# EAGLE board Mk4 Final Panel 8up 2x4 (EAGLE 9.0.1), part 9 of 23 (continued)
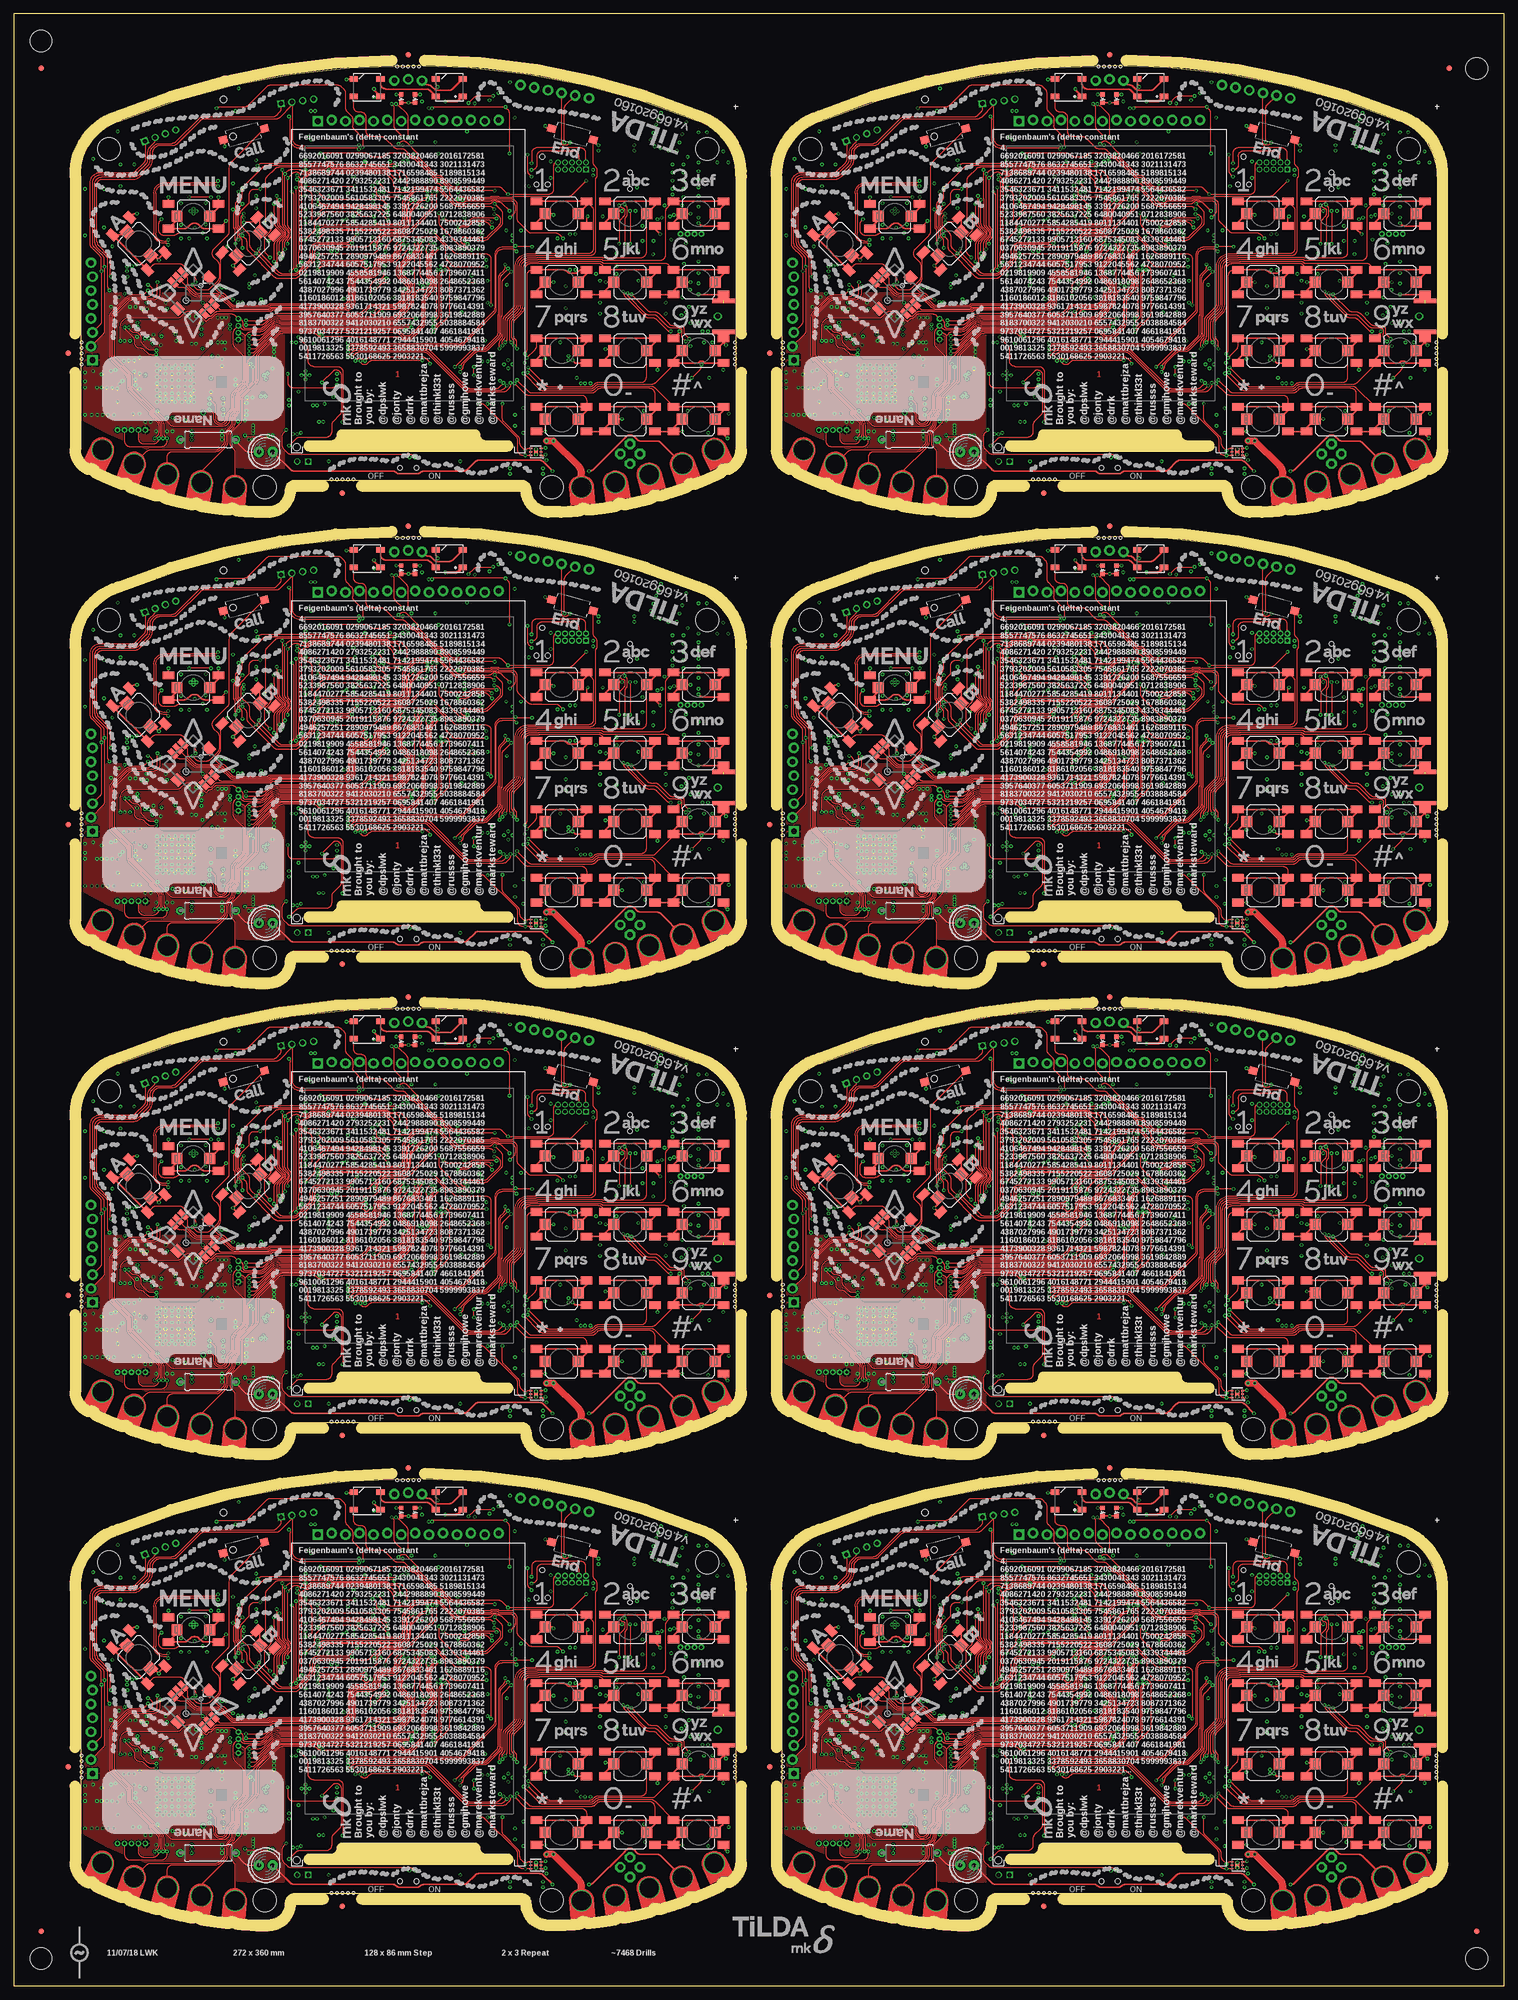
[diagram p0: board, top side]
## Tracks (layer width: path | path; a pad name or v marks a point on that pad's centre or on a via) (continued)
  Bottom 0.15: IC38.12 73.8,145.69 arc45 73.65,146.05 v73.2,146.5
  Bottom 0.2: IC47.32 24.75,124.25 24.54,124.46 arc-45 24.25,125.16 24.25,125.5 arc90 23.25,126.5 R229.1 C295.2 arc-90 19.5,127.25 v19.5,128.25
CC_!RESET3  (via drill 0.3)
  Top 0.15: v201.2,146.5 201.2,145.95 arc45 201.35,145.6 201.38,145.56 arc-45 201.53,145.21 201.53,145.09 arc-45 201.45,144.9 arc45 201.3,144.55 201.3,144.54 arc-45 201.15,144.19 198.86,141.89 arc90 198.86,140.12 200.31,138.67 arc-45 200.6,137.96 200.6,137.41 arc-45 200.45,137.05 200.25,136.85 arc45 200.1,136.49 200.1,136.22 arc-45 199.51,134.81 197.7,132.99 arc-45 196.99,132.7 176.78,132.7 arc45 174.58,131.85 173.63,130.89 arc-45 172.92,130.6 170.3,130.6 arc-90 169.8,131.1 169.8,131.51 arc90 JP34.4 168.39,132.91 arc45 167.69,133.2 165.13,133.2 arc45 164.78,133.05 164.26,132.53 arc-45 163.94,132.4 arc45 163.58,132.25 163.28,131.95 arc-90 162.93,131.95 161.56,133.31 arc45 160.86,133.6 159.81,133.6 arc45 159.11,133.31 158.49,132.69 arc-45 157.79,132.4 148.9,132.4 arc90 147.4,130.9 147.4,128.34 v147.5,128.24 v147.5,128.25
  Bottom 0.15: IC56.12 201.8,145.69 arc45 201.65,146.05 v201.2,146.5
  Bottom 0.2: IC65.32 152.75,124.25 152.54,124.46 arc-45 152.25,125.16 152.25,125.5 arc90 151.25,126.5 R307.1 C403.2 arc-90 147.5,127.25 v147.5,128.25
CC_!RESET4  (via drill 0.3)
  Top 0.15: v73.2,232.5 73.2,231.95 arc45 73.35,231.6 73.38,231.56 arc-45 73.53,231.21 73.53,231.09 arc-45 73.45,230.9 arc45 73.3,230.55 73.3,230.54 arc-45 73.15,230.19 70.86,227.89 arc90 70.86,226.12 72.31,224.67 arc-45 72.6,223.96 72.6,223.41 arc-45 72.45,223.05 72.25,222.85 arc45 72.1,222.49 72.1,222.22 arc-45 71.51,220.81 69.7,218.99 arc-45 68.99,218.7 48.78,218.7 arc45 46.58,217.85 45.63,216.89 arc-45 44.92,216.6 42.3,216.6 arc-90 41.8,217.1 41.8,217.51 arc90 JP43.4 40.39,218.91 arc45 39.69,219.2 37.13,219.2 arc45 36.78,219.05 36.26,218.53 arc-45 35.94,218.4 arc45 35.59,218.25 35.28,217.95 arc-90 34.92,217.95 33.56,219.31 arc45 32.86,219.6 31.81,219.6 arc45 31.11,219.31 30.49,218.69 arc-45 29.79,218.4 20.9,218.4 arc90 19.4,216.9 19.4,214.34 v19.5,214.24 v19.5,214.25
  Bottom 0.15: IC74.12 73.8,231.69 arc45 73.65,232.05 v73.2,232.5
  Bottom 0.2: IC83.32 24.75,210.25 24.54,210.46 arc-45 24.25,211.16 24.25,211.5 arc90 23.25,212.5 R385.1 C511.2 arc-90 19.5,213.25 v19.5,214.25
CC_!RESET5  (via drill 0.3)
  Top 0.15: v201.2,232.5 201.2,231.95 arc45 201.35,231.6 201.38,231.56 arc-45 201.53,231.21 201.53,231.09 arc-45 201.45,230.9 arc45 201.3,230.55 201.3,230.54 arc-45 201.15,230.19 198.86,227.89 arc90 198.86,226.12 200.31,224.67 arc-45 200.6,223.96 200.6,223.41 arc-45 200.45,223.05 200.25,222.85 arc45 200.1,222.49 200.1,222.22 arc-45 199.51,220.81 197.7,218.99 arc-45 196.99,218.7 176.78,218.7 arc45 174.58,217.85 173.63,216.89 arc-45 172.92,216.6 170.3,216.6 arc-90 169.8,217.1 169.8,217.51 arc90 JP52.4 168.39,218.91 arc45 167.69,219.2 165.13,219.2 arc45 164.78,219.05 164.26,218.53 arc-45 163.94,218.4 arc45 163.58,218.25 163.28,217.95 arc-90 162.93,217.95 161.56,219.31 arc45 160.86,219.6 159.81,219.6 arc45 159.11,219.31 158.49,218.69 arc-45 157.79,218.4 148.9,218.4 arc90 147.4,216.9 147.4,214.34 v147.5,214.24 v147.5,214.25
  Bottom 0.15: IC92.12 201.8,231.69 arc45 201.65,232.05 v201.2,232.5
  Bottom 0.2: IC101.32 152.75,210.25 152.54,210.46 arc-45 152.25,211.16 152.25,211.5 arc90 151.25,212.5 R463.1 C619.2 arc-90 147.5,213.25 v147.5,214.25
CC_!RESET6  (via drill 0.3)
  Top 0.15: v73.2,318.5 73.2,317.95 arc45 73.35,317.6 73.38,317.56 arc-45 73.53,317.21 73.53,317.09 arc-45 73.45,316.9 arc45 73.3,316.55 73.3,316.54 arc-45 73.15,316.19 70.86,313.89 arc90 70.86,312.12 72.31,310.67 arc-45 72.6,309.96 72.6,309.41 arc-45 72.45,309.05 72.25,308.85 arc45 72.1,308.49 72.1,308.22 arc-45 71.51,306.81 69.7,304.99 arc-45 68.99,304.7 48.78,304.7 arc45 46.58,303.85 45.63,302.89 arc-45 44.92,302.6 42.3,302.6 arc-90 41.8,303.1 41.8,303.51 arc90 JP61.4 40.39,304.91 arc45 39.69,305.2 37.13,305.2 arc45 36.78,305.05 36.26,304.53 arc-45 35.94,304.4 arc45 35.59,304.25 35.28,303.95 arc-90 34.92,303.95 33.56,305.31 arc45 32.86,305.6 31.81,305.6 arc45 31.11,305.31 30.49,304.69 arc-45 29.79,304.4 20.9,304.4 arc90 19.4,302.9 19.4,300.34 v19.5,300.24 v19.5,300.25
  Bottom 0.15: IC110.12 73.8,317.69 arc45 73.65,318.05 v73.2,318.5
  Bottom 0.2: IC119.32 24.75,296.25 24.54,296.46 arc-45 24.25,297.16 24.25,297.5 arc90 23.25,298.5 R541.1 C727.2 arc-90 19.5,299.25 v19.5,300.25
CC_!RESET7  (via drill 0.3)
  Top 0.15: v201.2,318.5 201.2,317.95 arc45 201.35,317.6 201.38,317.56 arc-45 201.53,317.21 201.53,317.09 arc-45 201.45,316.9 arc45 201.3,316.55 201.3,316.54 arc-45 201.15,316.19 198.86,313.89 arc90 198.86,312.12 200.31,310.67 arc-45 200.6,309.96 200.6,309.41 arc-45 200.45,309.05 200.25,308.85 arc45 200.1,308.49 200.1,308.22 arc-45 199.51,306.81 197.7,304.99 arc-45 196.99,304.7 176.78,304.7 arc45 174.58,303.85 173.63,302.89 arc-45 172.92,302.6 170.3,302.6 arc-90 169.8,303.1 169.8,303.51 arc90 JP70.4 168.39,304.91 arc45 167.69,305.2 165.13,305.2 arc45 164.78,305.05 164.26,304.53 arc-45 163.94,304.4 arc45 163.58,304.25 163.28,303.95 arc-90 162.93,303.95 161.56,305.31 arc45 160.86,305.6 159.81,305.6 arc45 159.11,305.31 158.49,304.69 arc-45 157.79,304.4 148.9,304.4 arc90 147.4,302.9 147.4,300.34 v147.5,300.24 v147.5,300.25
  Bottom 0.15: IC128.12 201.8,317.69 arc45 201.65,318.05 v201.2,318.5
  Bottom 0.2: IC137.32 152.75,296.25 152.54,296.46 arc-45 152.25,297.16 152.25,297.5 arc90 151.25,298.5 R619.1 C835.2 arc-90 147.5,299.25 v147.5,300.25
CC_!RTS
  Bottom 0.2: IC15.50 35.04,37.75 arc-45 35.4,37.6 35.65,37.35 arc45 36.01,37.2 38.05,37.2 arc90 38.55,37.7 38.55,37.8 R70.1
CC_!RTS1
  Bottom 0.2: IC29.50 163.04,37.75 arc-45 163.4,37.6 163.65,37.35 arc45 164.01,37.2 166.05,37.2 arc90 166.55,37.7 166.55,37.8 R148.1
CC_!RTS2
  Bottom 0.2: IC47.50 35.04,123.75 arc-45 35.4,123.6 35.65,123.35 arc45 36.01,123.2 38.05,123.2 arc90 38.55,123.7 38.55,123.8 R226.1
CC_!RTS3
  Bottom 0.2: IC65.50 163.04,123.75 arc-45 163.4,123.6 163.65,123.35 arc45 164.01,123.2 166.05,123.2 arc90 166.55,123.7 166.55,123.8 R304.1
CC_!RTS4
  Bottom 0.2: IC83.50 35.04,209.75 arc-45 35.4,209.6 35.65,209.35 arc45 36.01,209.2 38.05,209.2 arc90 38.55,209.7 38.55,209.8 R382.1
CC_!RTS5
  Bottom 0.2: IC101.50 163.04,209.75 arc-45 163.4,209.6 163.65,209.35 arc45 164.01,209.2 166.05,209.2 arc90 166.55,209.7 166.55,209.8 R460.1
CC_!RTS6
  Bottom 0.2: IC119.50 35.04,295.75 arc-45 35.4,295.6 35.65,295.35 arc45 36.01,295.2 38.05,295.2 arc90 38.55,295.7 38.55,295.8 R538.1
CC_!RTS7
  Bottom 0.2: IC137.50 163.04,295.75 arc-45 163.4,295.6 163.65,295.35 arc45 164.01,295.2 166.05,295.2 arc90 166.55,295.7 166.55,295.8 R616.1
CC_IRQ  (via drill 0.3)
  Top 0.15: v26.25,29.44 26.27,29.41 26.27,29.23 28.56,26.94 arc45 29.26,26.65 38.15,26.65 arc90 39.4,27.9 arc-45 39.91,29.14 39.96,29.18 arc45 40.4,30.25 40.4,31.6 arc-45 40.99,33.01 42.12,34.15 arc45 42.56,35.21 42.56,38.02 arc-45 42.86,38.73 47.99,43.86 arc-45 49.05,44.3 69.69,44.3 arc-45 70.39,44.01 70.91,43.49 arc45 71.61,43.2 71.89,43.2 arc45 72.59,43.49 74.21,45.11 arc45 74.5,45.81 74.5,49.68 arc-45 74.94,50.74 75.96,51.76 arc45 76.33,52.64 76.33,53.09 76.3,53.12 arc45 76.12,53.56 75.89,53.78 arc-45 75.6,54.49 75.6,57.44 arc-45 75.89,58.15 76.13,58.39 arc45 76.28,58.74 76.28,59.27 arc-45 76.42,59.62 v76.8,60
  Bottom 0.15: R72.1 26.25,27.75 v26.25,29.44 IC15.15 | IC1.123 78.82,60.8 arc45 78.78,60.78 arc-45 78.64,60.73 78.36,60.73 arc-45 78.22,60.78 78.17,60.84 arc45 78.03,60.9 76.08,60.9 arc90 75.58,60.4 75.58,60.2 arc90 76.08,59.7 76.5,59.7 v76.8,60
CC_IRQ1  (via drill 0.3)
  Top 0.15: v154.25,29.44 154.28,29.41 154.28,29.23 156.56,26.94 arc45 157.26,26.65 166.15,26.65 arc90 167.4,27.9 arc-45 167.91,29.14 167.96,29.18 arc45 168.4,30.25 168.4,31.6 arc-45 168.99,33.01 170.12,34.15 arc45 170.56,35.21 170.56,38.02 arc-45 170.86,38.73 175.99,43.86 arc-45 177.05,44.3 197.69,44.3 arc-45 198.39,44.01 198.91,43.49 arc45 199.61,43.2 199.89,43.2 arc45 200.59,43.49 202.21,45.11 arc45 202.5,45.81 202.5,49.68 arc-45 202.94,50.74 203.96,51.76 arc45 204.32,52.64 204.32,53.09 204.3,53.12 arc45 204.12,53.56 203.89,53.78 arc-45 203.6,54.49 203.6,57.44 arc-45 203.89,58.15 204.13,58.39 arc45 204.28,58.74 204.28,59.27 arc-45 204.42,59.62 v204.8,60
  Bottom 0.15: R150.1 154.25,27.75 v154.25,29.44 IC29.15 | IC20.123 206.82,60.8 arc45 206.78,60.78 arc-45 206.63,60.73 206.37,60.73 arc-45 206.22,60.78 206.17,60.84 arc45 206.03,60.9 204.07,60.9 arc90 203.57,60.4 203.57,60.2 arc90 204.07,59.7 204.5,59.7 v204.8,60
CC_IRQ2  (via drill 0.3)
  Top 0.15: v26.25,115.44 26.27,115.41 26.27,115.22 28.56,112.94 arc45 29.26,112.65 38.15,112.65 arc90 39.4,113.9 arc-45 39.91,115.14 39.96,115.19 arc45 40.4,116.25 40.4,117.6 arc-45 40.99,119.01 42.12,120.15 arc45 42.56,121.21 42.56,124.02 arc-45 42.86,124.73 47.99,129.86 arc-45 49.05,130.3 69.69,130.3 arc-45 70.39,130.01 70.91,129.49 arc45 71.61,129.2 71.89,129.2 arc45 72.59,129.49 74.21,131.11 arc45 74.5,131.81 74.5,135.68 arc-45 74.94,136.74 75.96,137.76 arc45 76.33,138.64 76.33,139.09 76.3,139.12 arc45 76.12,139.56 75.89,139.78 arc-45 75.6,140.49 75.6,143.44 arc-45 75.89,144.15 76.13,144.39 arc45 76.28,144.74 76.28,145.27 arc-45 76.42,145.62 v76.8,146
  Bottom 0.15: R228.1 26.25,113.75 v26.25,115.44 IC47.15 | IC38.123 78.82,146.8 arc45 78.78,146.78 arc-45 78.64,146.72 78.36,146.72 arc-45 78.22,146.78 78.17,146.84 arc45 78.03,146.9 76.08,146.9 arc90 75.58,146.4 75.58,146.2 arc90 76.08,145.7 76.5,145.7 v76.8,146
CC_IRQ3  (via drill 0.3)
  Top 0.15: v154.25,115.44 154.28,115.41 154.28,115.22 156.56,112.94 arc45 157.26,112.65 166.15,112.65 arc90 167.4,113.9 arc-45 167.91,115.14 167.96,115.19 arc45 168.4,116.25 168.4,117.6 arc-45 168.99,119.01 170.12,120.15 arc45 170.56,121.21 170.56,124.02 arc-45 170.86,124.73 175.99,129.86 arc-45 177.05,130.3 197.69,130.3 arc-45 198.39,130.01 198.91,129.49 arc45 199.61,129.2 199.89,129.2 arc45 200.59,129.49 202.21,131.11 arc45 202.5,131.81 202.5,135.68 arc-45 202.94,136.74 203.96,137.76 arc45 204.32,138.64 204.32,139.09 204.3,139.12 arc45 204.12,139.56 203.89,139.78 arc-45 203.6,140.49 203.6,143.44 arc-45 203.89,144.15 204.13,144.39 arc45 204.28,144.74 204.28,145.27 arc-45 204.42,145.62 v204.8,146
  Bottom 0.15: R306.1 154.25,113.75 v154.25,115.44 IC65.15 | IC56.123 206.82,146.8 arc45 206.78,146.78 arc-45 206.63,146.72 206.37,146.72 arc-45 206.22,146.78 206.17,146.84 arc45 206.03,146.9 204.07,146.9 arc90 203.57,146.4 203.57,146.2 arc90 204.07,145.7 204.5,145.7 v204.8,146
CC_IRQ4  (via drill 0.3)
  Top 0.15: v26.25,201.44 26.27,201.41 26.27,201.22 28.56,198.94 arc45 29.26,198.65 38.15,198.65 arc90 39.4,199.9 arc-45 39.91,201.14 39.96,201.19 arc45 40.4,202.25 40.4,203.6 arc-45 40.99,205.01 42.12,206.15 arc45 42.56,207.21 42.56,210.02 arc-45 42.86,210.73 47.99,215.86 arc-45 49.05,216.3 69.69,216.3 arc-45 70.39,216.01 70.91,215.49 arc45 71.61,215.2 71.89,215.2 arc45 72.59,215.49 74.21,217.11 arc45 74.5,217.81 74.5,221.68 arc-45 74.94,222.74 75.96,223.76 arc45 76.33,224.64 76.33,225.09 76.3,225.12 arc45 76.12,225.56 75.89,225.78 arc-45 75.6,226.49 75.6,229.44 arc-45 75.89,230.15 76.13,230.39 arc45 76.28,230.74 76.28,231.27 arc-45 76.42,231.62 v76.8,232
  Bottom 0.15: R384.1 26.25,199.75 v26.25,201.44 IC83.15 | IC74.123 78.82,232.8 arc45 78.78,232.78 arc-45 78.64,232.72 78.36,232.72 arc-45 78.22,232.78 78.17,232.84 arc45 78.03,232.9 76.08,232.9 arc90 75.58,232.4 75.58,232.2 arc90 76.08,231.7 76.5,231.7 v76.8,232
CC_IRQ5  (via drill 0.3)
  Top 0.15: v154.25,201.44 154.28,201.41 154.28,201.22 156.56,198.94 arc45 157.26,198.65 166.15,198.65 arc90 167.4,199.9 arc-45 167.91,201.14 167.96,201.19 arc45 168.4,202.25 168.4,203.6 arc-45 168.99,205.01 170.12,206.15 arc45 170.56,207.21 170.56,210.02 arc-45 170.86,210.73 175.99,215.86 arc-45 177.05,216.3 197.69,216.3 arc-45 198.39,216.01 198.91,215.49 arc45 199.61,215.2 199.89,215.2 arc45 200.59,215.49 202.21,217.11 arc45 202.5,217.81 202.5,221.68 arc-45 202.94,222.74 203.96,223.76 arc45 204.32,224.64 204.32,225.09 204.3,225.12 arc45 204.12,225.56 203.89,225.78 arc-45 203.6,226.49 203.6,229.44 arc-45 203.89,230.15 204.13,230.39 arc45 204.28,230.74 204.28,231.27 arc-45 204.42,231.62 v204.8,232
  Bottom 0.15: R462.1 154.25,199.75 v154.25,201.44 IC101.15 | IC92.123 206.82,232.8 arc45 206.78,232.78 arc-45 206.63,232.72 206.37,232.72 arc-45 206.22,232.78 206.17,232.84 arc45 206.03,232.9 204.07,232.9 arc90 203.57,232.4 203.57,232.2 arc90 204.07,231.7 204.5,231.7 v204.8,232
CC_IRQ6  (via drill 0.3)
  Top 0.15: v26.25,287.44 26.27,287.41 26.27,287.23 28.56,284.94 arc45 29.26,284.65 38.15,284.65 arc90 39.4,285.9 arc-45 39.91,287.14 39.96,287.19 arc45 40.4,288.25 40.4,289.6 arc-45 40.99,291.01 42.12,292.15 arc45 42.56,293.21 42.56,296.02 arc-45 42.86,296.73 47.99,301.86 arc-45 49.05,302.3 69.69,302.3 arc-45 70.39,302.01 70.91,301.49 arc45 71.61,301.2 71.89,301.2 arc45 72.59,301.49 74.21,303.11 arc45 74.5,303.81 74.5,307.68 arc-45 74.94,308.74 75.96,309.76 arc45 76.33,310.64 76.33,311.09 76.3,311.12 arc45 76.12,311.56 75.89,311.78 arc-45 75.6,312.49 75.6,315.44 arc-45 75.89,316.15 76.13,316.39 arc45 76.28,316.74 76.28,317.27 arc-45 76.42,317.62 v76.8,318
  Bottom 0.15: R540.1 26.25,285.75 v26.25,287.44 IC119.15 | IC110.123 78.82,318.8 arc45 78.78,318.78 arc-45 78.64,318.73 78.36,318.73 arc-45 78.22,318.78 78.17,318.84 arc45 78.03,318.9 76.08,318.9 arc90 75.58,318.4 75.58,318.2 arc90 76.08,317.7 76.5,317.7 v76.8,318
CC_IRQ7  (via drill 0.3)
  Top 0.15: v154.25,287.44 154.28,287.41 154.28,287.23 156.56,284.94 arc45 157.26,284.65 166.15,284.65 arc90 167.4,285.9 arc-45 167.91,287.14 167.96,287.19 arc45 168.4,288.25 168.4,289.6 arc-45 168.99,291.01 170.12,292.15 arc45 170.56,293.21 170.56,296.02 arc-45 170.86,296.73 175.99,301.86 arc-45 177.05,302.3 197.69,302.3 arc-45 198.39,302.01 198.91,301.49 arc45 199.61,301.2 199.89,301.2 arc45 200.59,301.49 202.21,303.11 arc45 202.5,303.81 202.5,307.68 arc-45 202.94,308.74 203.96,309.76 arc45 204.32,310.64 204.32,311.09 204.3,311.12 arc45 204.12,311.56 203.89,311.78 arc-45 203.6,312.49 203.6,315.44 arc-45 203.89,316.15 204.13,316.39 arc45 204.28,316.74 204.28,317.27 arc-45 204.42,317.62 v204.8,318
  Bottom 0.15: R618.1 154.25,285.75 v154.25,287.44 IC137.15 | IC128.123 206.82,318.8 arc45 206.78,318.78 arc-45 206.63,318.73 206.37,318.73 arc-45 206.22,318.78 206.17,318.84 arc45 206.03,318.9 204.07,318.9 arc90 203.57,318.4 203.57,318.2 arc90 204.07,317.7 204.5,317.7 v204.8,318
CC_RCT_XTAL_N
  Bottom 0.25: C100.2 38.05,33.25 X3.P$1 37.25,33.2 arc-90 36.75,33.7 36.75,35.44 arc45 36.6,35.8 36.15,36.25 arc45 35.79,36.4 35.56,36.4 arc-45 35.2,36.55 35.15,36.6 arc45 34.79,36.75 IC15.52
CC_RCT_XTAL_N1
  Bottom 0.25: C208.2 166.05,33.25 X7.P$1 165.25,33.2 arc-90 164.75,33.7 164.75,35.44 arc45 164.6,35.8 164.15,36.25 arc45 163.79,36.4 163.56,36.4 arc-45 163.2,36.55 163.15,36.6 arc45 162.79,36.75 IC29.52
CC_RCT_XTAL_N2
  Bottom 0.25: C316.2 38.05,119.25 X11.P$1 37.25,119.2 arc-90 36.75,119.7 36.75,121.44 arc45 36.6,121.8 36.15,122.25 arc45 35.79,122.4 35.56,122.4 arc-45 35.2,122.55 35.15,122.6 arc45 34.79,122.75 IC47.52
CC_RCT_XTAL_N3
  Bottom 0.25: C424.2 166.05,119.25 X15.P$1 165.25,119.2 arc-90 164.75,119.7 164.75,121.44 arc45 164.6,121.8 164.15,122.25 arc45 163.79,122.4 163.56,122.4 arc-45 163.2,122.55 163.15,122.6 arc45 162.79,122.75 IC65.52
CC_RCT_XTAL_N4
  Bottom 0.25: C532.2 38.05,205.25 X19.P$1 37.25,205.2 arc-90 36.75,205.7 36.75,207.44 arc45 36.6,207.8 36.15,208.25 arc45 35.79,208.4 35.56,208.4 arc-45 35.2,208.55 35.15,208.6 arc45 34.79,208.75 IC83.52
CC_RCT_XTAL_N5
  Bottom 0.25: C640.2 166.05,205.25 X23.P$1 165.25,205.2 arc-90 164.75,205.7 164.75,207.44 arc45 164.6,207.8 164.15,208.25 arc45 163.79,208.4 163.56,208.4 arc-45 163.2,208.55 163.15,208.6 arc45 162.79,208.75 IC101.52
CC_RCT_XTAL_N6
  Bottom 0.25: C748.2 38.05,291.25 X27.P$1 37.25,291.2 arc-90 36.75,291.7 36.75,293.44 arc45 36.6,293.8 36.15,294.25 arc45 35.79,294.4 35.56,294.4 arc-45 35.2,294.55 35.15,294.6 arc45 34.79,294.75 IC119.52
CC_RCT_XTAL_N7
  Bottom 0.25: C856.2 166.05,291.25 X31.P$1 165.25,291.2 arc-90 164.75,291.7 164.75,293.44 arc45 164.6,293.8 164.15,294.25 arc45 163.79,294.4 163.56,294.4 arc-45 163.2,294.55 163.15,294.6 arc45 162.79,294.75 IC137.52
CC_RESERVED@1
  Bottom 0.15: IC29.19 152.72,31.75 arc90 152.47,31.5 152.47,30.53 153,30.01 R143.1
CC_RESERVED@2
  Bottom 0.15: IC47.19 24.73,117.75 arc90 24.48,117.5 24.48,116.53 25,116.01 R221.1
CC_RESERVED@3
  Bottom 0.15: IC65.19 152.72,117.75 arc90 152.47,117.5 152.47,116.53 153,116.01 R299.1
CC_RESERVED@4
  Bottom 0.15: IC83.19 24.73,203.75 arc90 24.48,203.5 24.48,202.53 25,202.01 R377.1
CC_RESERVED@5
  Bottom 0.15: IC101.19 152.72,203.75 arc90 152.47,203.5 152.47,202.53 153,202.01 R455.1
CC_RESERVED@6
  Bottom 0.15: IC119.19 24.73,289.75 arc90 24.48,289.5 24.48,288.53 25,288.01 R533.1
CC_RESERVED@7
  Bottom 0.15: IC137.19 152.72,289.75 arc90 152.47,289.5 152.47,288.53 153,288.01 R611.1
CC_RESERVED@19
  Bottom 0.15: IC15.19 24.73,31.75 arc90 24.48,31.5 24.48,30.53 25,30.01 R65.1
CC_RTC_XTAL_P
  Bottom 0.25: C101.2 38.05,36.25 X3.P$2 36.91,36.3 arc-45 36.55,36.45 36.32,36.68 arc45 35.97,36.83 35.85,36.83 arc-45 35.5,36.97 35.37,37.1 arc45 35.01,37.25 IC15.51
CC_RTC_XTAL_P1
  Bottom 0.25: C209.2 166.05,36.25 X7.P$2 164.91,36.3 arc-45 164.55,36.45 164.32,36.68 arc45 163.97,36.83 163.85,36.83 arc-45 163.5,36.97 163.37,37.1 arc45 163.01,37.25 IC29.51
CC_RTC_XTAL_P2
  Bottom 0.25: C317.2 38.05,122.25 X11.P$2 36.91,122.3 arc-45 36.55,122.45 36.32,122.68 arc45 35.97,122.83 35.85,122.83 arc-45 35.5,122.97 35.37,123.1 arc45 35.01,123.25 IC47.51
CC_RTC_XTAL_P3
  Bottom 0.25: C425.2 166.05,122.25 X15.P$2 164.91,122.3 arc-45 164.55,122.45 164.32,122.68 arc45 163.97,122.83 163.85,122.83 arc-45 163.5,122.97 163.37,123.1 arc45 163.01,123.25 IC65.51
CC_RTC_XTAL_P4
  Bottom 0.25: C533.2 38.05,208.25 X19.P$2 36.91,208.3 arc-45 36.55,208.45 36.32,208.68 arc45 35.97,208.82 35.85,208.82 arc-45 35.5,208.97 35.37,209.1 arc45 35.01,209.25 IC83.51
CC_RTC_XTAL_P5
  Bottom 0.25: C641.2 166.05,208.25 X23.P$2 164.91,208.3 arc-45 164.55,208.45 164.32,208.68 arc45 163.97,208.82 163.85,208.82 arc-45 163.5,208.97 163.37,209.1 arc45 163.01,209.25 IC101.51
CC_RTC_XTAL_P6
  Bottom 0.25: C749.2 38.05,294.25 X27.P$2 36.91,294.3 arc-45 36.55,294.45 36.32,294.68 arc45 35.97,294.82 35.85,294.82 arc-45 35.5,294.97 35.37,295.1 arc45 35.01,295.25 IC119.51
CC_RTC_XTAL_P7
  Bottom 0.25: C857.2 166.05,294.25 X31.P$2 164.91,294.3 arc-45 164.55,294.45 164.32,294.68 arc45 163.97,294.82 163.85,294.82 arc-45 163.5,294.97 163.37,295.1 arc45 163.01,295.25 IC137.51
CC_TEST1
  Bottom 0.15: IC29.62 162.32,31.75 arc-90 162.53,31.55 162.53,29.27 TP38.TP
CC_TEST2
  Bottom 0.15: IC47.62 34.33,117.75 arc-90 34.52,117.55 34.52,115.28 TP57.TP
CC_TEST3
  Bottom 0.15: IC65.62 162.32,117.75 arc-90 162.53,117.55 162.53,115.28 TP76.TP
CC_TEST4
  Bottom 0.15: IC83.62 34.33,203.75 arc-90 34.52,203.55 34.52,201.28 TP95.TP
CC_TEST5
  Bottom 0.15: IC101.62 162.32,203.75 arc-90 162.53,203.55 162.53,201.28 TP114.TP
CC_TEST6
  Bottom 0.15: IC119.62 34.33,289.75 arc-90 34.52,289.55 34.52,287.27 TP133.TP
CC_TEST7
  Bottom 0.15: IC137.62 162.32,289.75 arc-90 162.53,289.55 162.53,287.27 TP152.TP
CC_TEST62
  Bottom 0.15: IC15.62 34.33,31.75 arc-90 34.52,31.55 34.52,29.27 TP19.TP
CC_WLAN_XTAL_
  Bottom 0.15: X4.3 19.88,30.32 20.51,30.96 arc-45 21.21,31.25 22.04,31.25 arc-45 22.74,30.96 C99.2 arc90 23.88,31.68 23.88,32.5 arc-90 24.62,33.25 IC15.22
CC_WLAN_XTAL_1
  Bottom 0.15: X8.3 147.88,30.32 148.51,30.96 arc-45 149.21,31.25 150.04,31.25 arc-45 150.74,30.96 C207.2 arc90 151.88,31.68 151.88,32.5 arc-90 152.62,33.25 IC29.22
CC_WLAN_XTAL_2
  Bottom 0.15: X12.3 19.88,116.33 20.51,116.96 arc-45 21.21,117.25 22.04,117.25 arc-45 22.74,116.96 C315.2 arc90 23.88,117.67 23.88,118.5 arc-90 24.62,119.25 IC47.22
CC_WLAN_XTAL_3
  Bottom 0.15: X16.3 147.88,116.33 148.51,116.96 arc-45 149.21,117.25 150.04,117.25 arc-45 150.74,116.96 C423.2 arc90 151.88,117.67 151.88,118.5 arc-90 152.62,119.25 IC65.22
CC_WLAN_XTAL_4
  Bottom 0.15: X20.3 19.88,202.32 20.51,202.96 arc-45 21.21,203.25 22.04,203.25 arc-45 22.74,202.96 C531.2 arc90 23.88,203.68 23.88,204.5 arc-90 24.62,205.25 IC83.22
CC_WLAN_XTAL_5
  Bottom 0.15: X24.3 147.88,202.32 148.51,202.96 arc-45 149.21,203.25 150.04,203.25 arc-45 150.74,202.96 C639.2 arc90 151.88,203.68 151.88,204.5 arc-90 152.62,205.25 IC101.22
CC_WLAN_XTAL_6
  Bottom 0.15: X28.3 19.88,288.32 20.51,288.96 arc-45 21.21,289.25 22.04,289.25 arc-45 22.74,288.96 C747.2 arc90 23.88,289.68 23.88,290.5 arc-90 24.62,291.25 IC119.22
CC_WLAN_XTAL_7
  Bottom 0.15: X32.3 147.88,288.32 148.51,288.96 arc-45 149.21,289.25 150.04,289.25 arc-45 150.74,288.96 C855.2 arc90 151.88,289.68 151.88,290.5 arc-90 152.62,291.25 IC137.22
CC_WLAN_XTAL_P
  Bottom 0.15: X4.1 22.38,31.75 C98.2 arc90 23.58,32.38 23.58,32.75 arc-90 24.58,33.75 IC15.23
CC_WLAN_XTAL_P1
  Bottom 0.15: X8.1 150.38,31.75 C206.2 arc90 151.57,32.38 151.57,32.75 arc-90 152.57,33.75 IC29.23
CC_WLAN_XTAL_P2
  Bottom 0.15: X12.1 22.38,117.75 C314.2 arc90 23.58,118.38 23.58,118.75 arc-90 24.58,119.75 IC47.23
CC_WLAN_XTAL_P3
  Bottom 0.15: X16.1 150.38,117.75 C422.2 arc90 151.57,118.38 151.57,118.75 arc-90 152.57,119.75 IC65.23
CC_WLAN_XTAL_P4
  Bottom 0.15: X20.1 22.38,203.75 C530.2 arc90 23.58,204.38 23.58,204.75 arc-90 24.58,205.75 IC83.23
CC_WLAN_XTAL_P5
  Bottom 0.15: X24.1 150.38,203.75 C638.2 arc90 151.57,204.38 151.57,204.75 arc-90 152.57,205.75 IC101.23
CC_WLAN_XTAL_P6
  Bottom 0.15: X28.1 22.38,289.75 C746.2 arc90 23.58,290.38 23.58,290.75 arc-90 24.58,291.75 IC119.23
CC_WLAN_XTAL_P7
  Bottom 0.15: X32.1 150.38,289.75 C854.2 arc90 151.57,290.38 151.57,290.75 arc-90 152.57,291.75 IC137.23
DCDC_ANA_SW
  Bottom 0.25: 28.25,42.7 IC15.38
  Bottom 0.4: L7.2 27.6,44.21 arc45 27.89,43.51 27.96,43.44 arc-45 28.25,42.74 28.25,42.7
DCDC_ANA_SW1
  Bottom 0.25: 156.25,42.7 IC29.38
  Bottom 0.4: L16.2 155.6,44.21 arc45 155.89,43.51 155.96,43.44 arc-45 156.25,42.74 156.25,42.7
DCDC_ANA_SW2
  Bottom 0.25: 28.25,128.7 IC47.38
  Bottom 0.4: L25.2 27.6,130.21 arc45 27.89,129.51 27.96,129.44 arc-45 28.25,128.74 28.25,128.7
DCDC_ANA_SW3
  Bottom 0.25: 156.25,128.7 IC65.38
  Bottom 0.4: L34.2 155.6,130.21 arc45 155.89,129.51 155.96,129.44 arc-45 156.25,128.74 156.25,128.7
DCDC_ANA_SW4
  Bottom 0.25: 28.25,214.7 IC83.38
  Bottom 0.4: L43.2 27.6,216.21 arc45 27.89,215.51 27.96,215.44 arc-45 28.25,214.74 28.25,214.7
DCDC_ANA_SW5
  Bottom 0.25: 156.25,214.7 IC101.38
  Bottom 0.4: L52.2 155.6,216.21 arc45 155.89,215.51 155.96,215.44 arc-45 156.25,214.74 156.25,214.7
DCDC_ANA_SW6
  Bottom 0.25: 28.25,300.7 IC119.38
  Bottom 0.4: L61.2 27.6,302.21 arc45 27.89,301.51 27.96,301.44 arc-45 28.25,300.74 28.25,300.7
DCDC_ANA_SW7
  Bottom 0.25: 156.25,300.7 IC137.38
  Bottom 0.4: L70.2 155.6,302.21 arc45 155.89,301.51 155.96,301.44 arc-45 156.25,300.74 156.25,300.7
DCDC_DIG_SW
  Bottom 0.25: IC15.43 30.75,39.79 arc-45 31.04,40.49 31.56,41.01 arc45 31.85,41.71 arc-45 32.12,42.37 32.21,42.46 arc-45 32.91,42.75 35.85,42.75 L9.2
DCDC_DIG_SW1
  Bottom 0.25: IC29.43 158.75,39.79 arc-45 159.04,40.49 159.56,41.01 arc45 159.85,41.71 arc-45 160.12,42.37 160.21,42.46 arc-45 160.91,42.75 163.85,42.75 L18.2
DCDC_DIG_SW2
  Bottom 0.25: IC47.43 30.75,125.79 arc-45 31.04,126.49 31.56,127.01 arc45 31.85,127.71 arc-45 32.12,128.37 32.21,128.46 arc-45 32.91,128.75 35.85,128.75 L27.2
DCDC_DIG_SW3
  Bottom 0.25: IC65.43 158.75,125.79 arc-45 159.04,126.49 159.56,127.01 arc45 159.85,127.71 arc-45 160.12,128.37 160.21,128.46 arc-45 160.91,128.75 163.85,128.75 L36.2
DCDC_DIG_SW4
  Bottom 0.25: IC83.43 30.75,211.79 arc-45 31.04,212.49 31.56,213.01 arc45 31.85,213.71 arc-45 32.12,214.37 32.21,214.46 arc-45 32.91,214.75 35.85,214.75 L45.2
DCDC_DIG_SW5
  Bottom 0.25: IC101.43 158.75,211.79 arc-45 159.04,212.49 159.56,213.01 arc45 159.85,213.71 arc-45 160.12,214.37 160.21,214.46 arc-45 160.91,214.75 163.85,214.75 L54.2
DCDC_DIG_SW6
  Bottom 0.25: IC119.43 30.75,297.79 arc-45 31.04,298.49 31.56,299.01 arc45 31.85,299.71 arc-45 32.12,300.37 32.21,300.46 arc-45 32.91,300.75 35.85,300.75 L63.2
DCDC_DIG_SW7
  Bottom 0.25: IC137.43 158.75,297.79 arc-45 159.04,298.49 159.56,299.01 arc45 159.85,299.71 arc-45 160.12,300.37 160.21,300.46 arc-45 160.91,300.75 163.85,300.75 L72.2
DCDC_PA_SW_N
  Bottom 0.25: IC15.41 29.75,40.29 arc-45 30.04,40.99 30.75,41.7
  Bottom 0.3: 30.75,41.7 30.75,41.76 31,42.01 31,44 31.1,44.1
  Bottom 0.5: 31.1,44.1 31.1,45.59 arc45 30.95,45.95 30.3,46.6 L8.1
DCDC_PA_SW_N1
  Bottom 0.25: IC29.41 157.75,40.29 arc-45 158.04,40.99 158.75,41.7
  Bottom 0.3: 158.75,41.7 158.75,41.76 159,42.01 159,44 159.1,44.1
  Bottom 0.5: 159.1,44.1 159.1,45.59 arc45 158.95,45.95 158.3,46.6 L17.1
DCDC_PA_SW_N2
  Bottom 0.25: IC47.41 29.75,126.29 arc-45 30.04,126.99 30.75,127.7
  Bottom 0.3: 30.75,127.7 30.75,127.76 31,128.01 31,130 31.1,130.1
  Bottom 0.5: 31.1,130.1 31.1,131.59 arc45 30.95,131.95 30.3,132.6 L26.1
DCDC_PA_SW_N3